# Altium PCB drac_v2.PcbDoc (part 4 of 5) (continued)
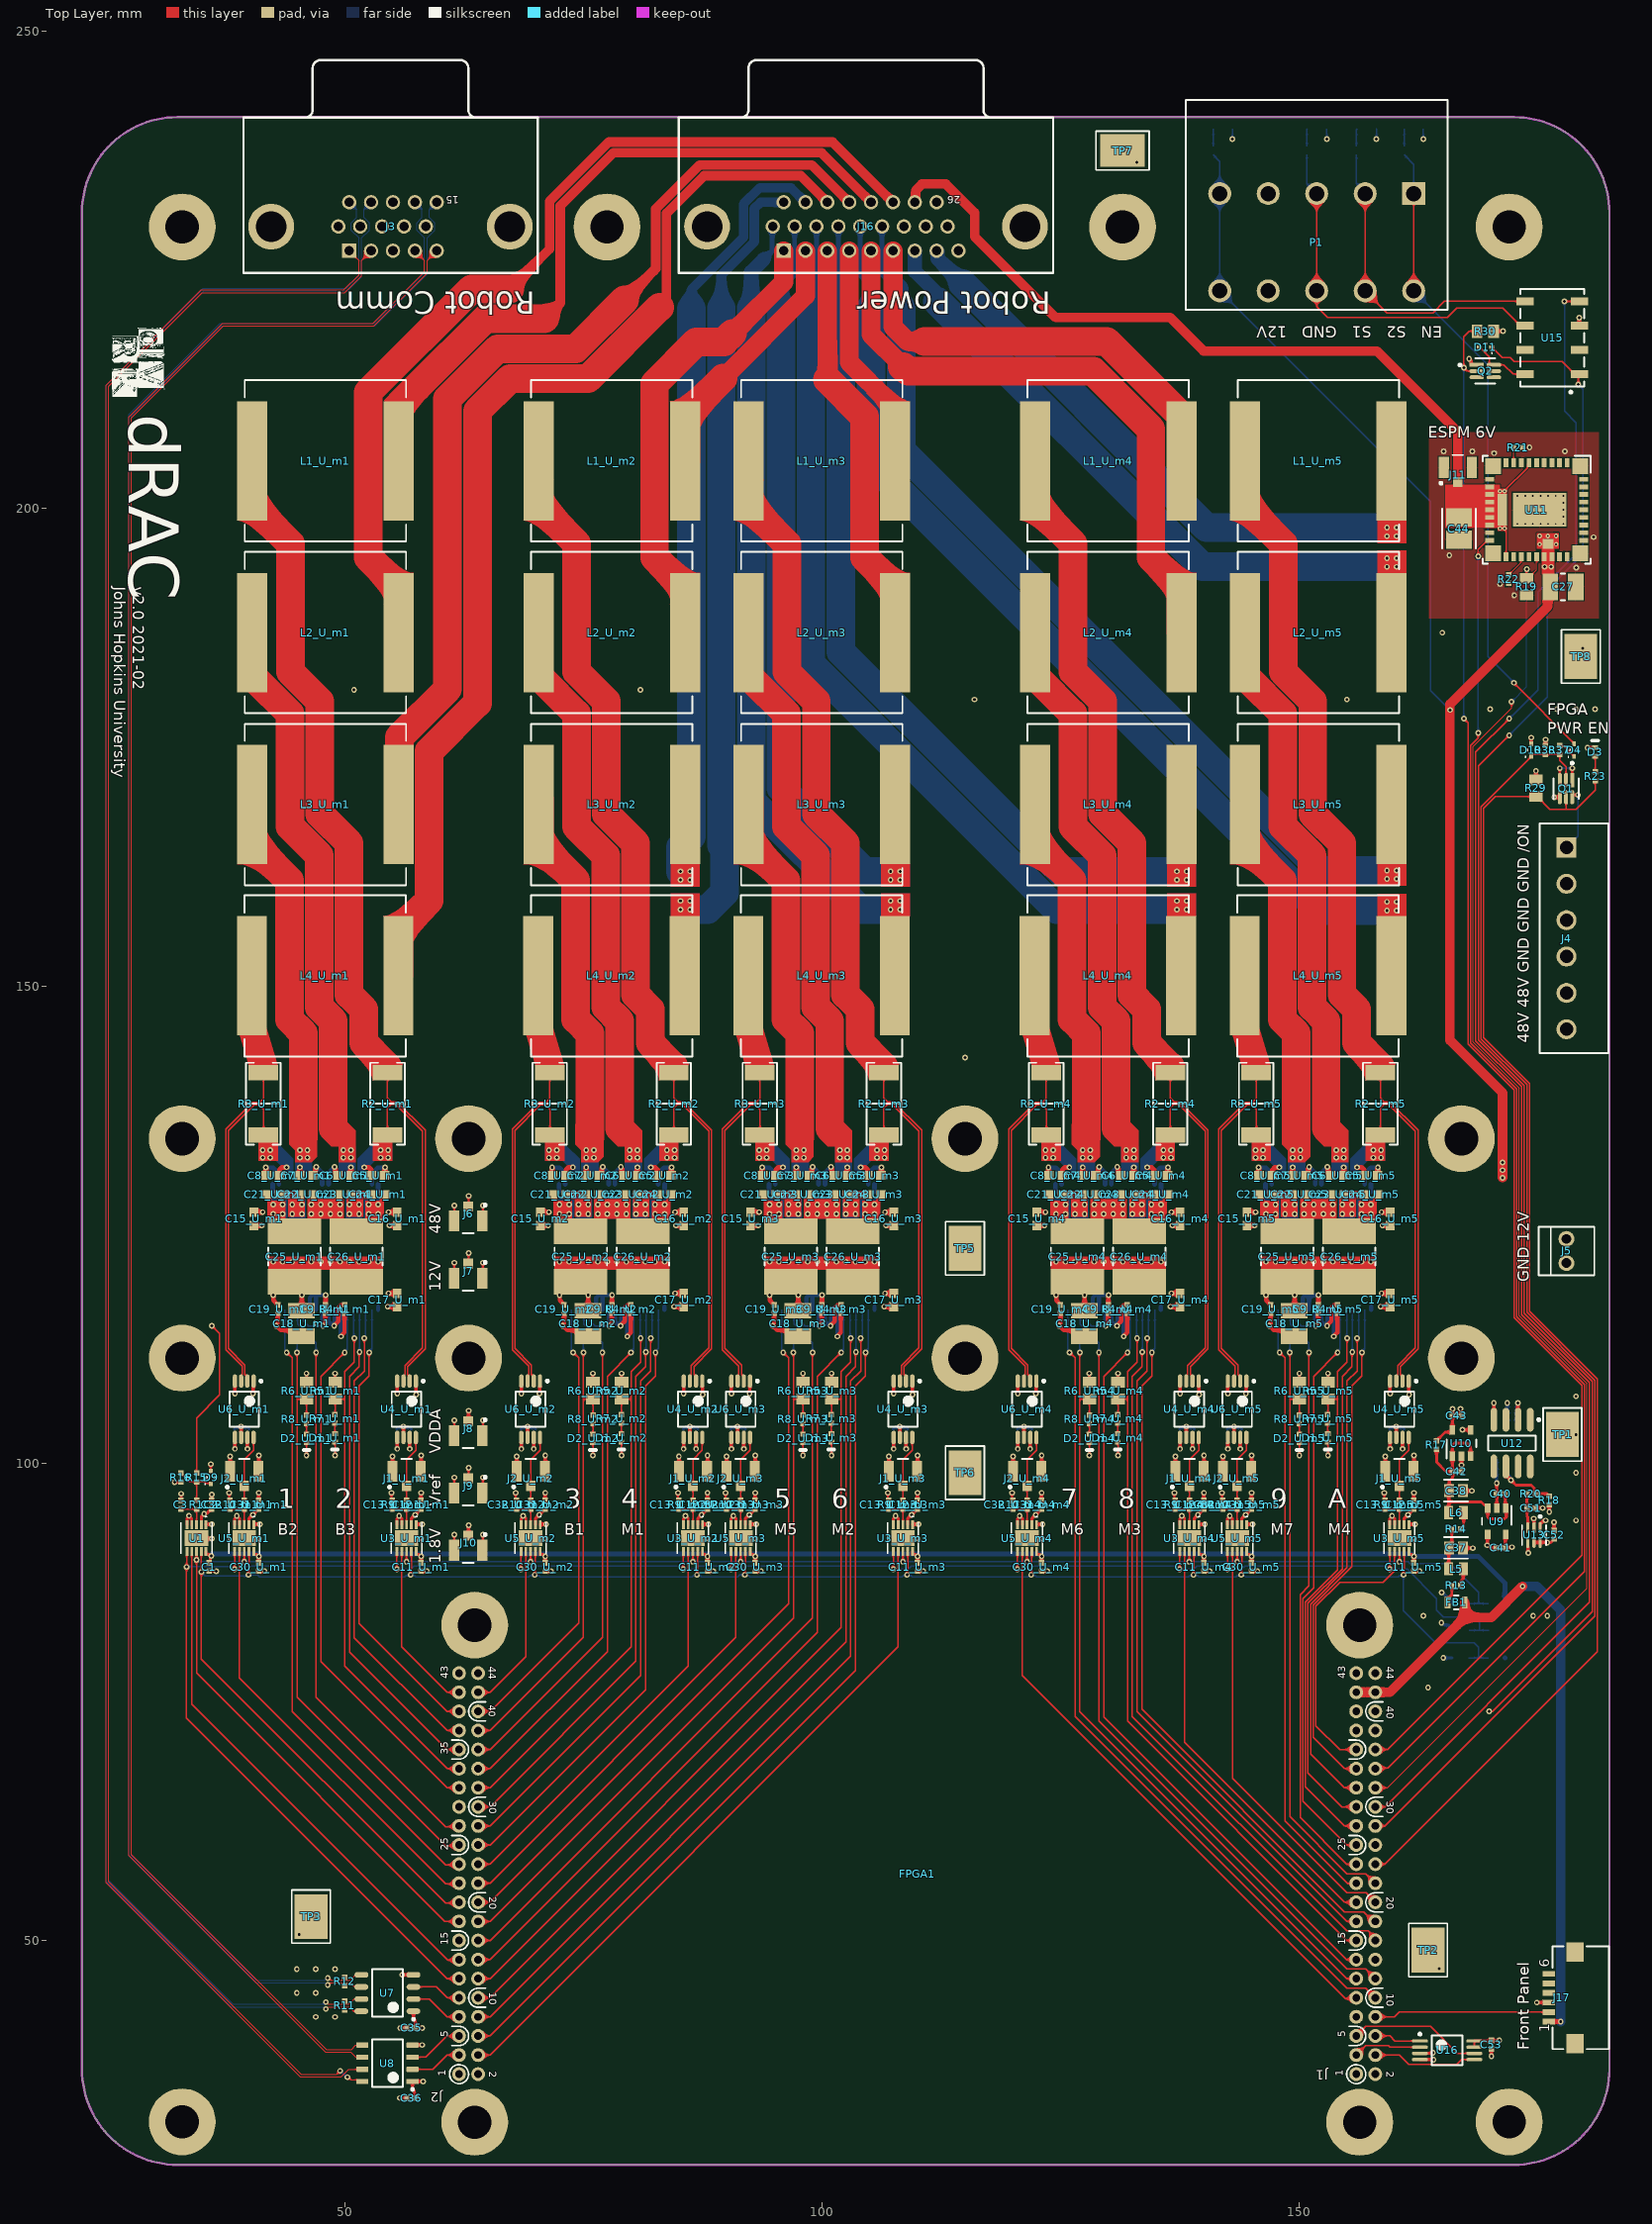
[diagram p0: Top Layer view]
## Nets (pads, with @x,y where several pads share a name; then routed paths per layer and width w, separated by ;. In a path a pad name is that pad's centre, name@x,y a point inside that pad or via, vN(x,y) a via of type N, cw(c..) or ccw(c..) an arc to the next point about the centre after c; other vN are vias at no path point) (continued)
  Bottom Layer w0.127: v1(48.25,45.348) 48.161,45.348 47.939,45.57 40.68,45.57 27.417,58.833 27.417,209.834 36.983,219.4 53.074,219.4 58.374,224.7 58.374,228.356 57.579,229.15 57.579,229.93 58.13,230.481 58.13,231.32 J3.14@57.37,232.08
RELAY-ON: FPGA1.36 Q2.2 R30.2 | length 165.9
  Top Layer w0.147: FPGA1.36@157.98,70 159.25,70 179.627,90.377 179.627,108.123 172.5,115.25 172.5,139.1 167.7,143.9 167.7,177.55 v1(167.25,178) ; Q2.2@168.599,214.4 167.6,214.4 v1(167.25,214.75) 167.25,218 167.831,218.581 R30.2@168.624,218.581
  Bottom Layer w0.147: v1(167.25,178) v1(167.25,214.75)
SAFETY_CHAIN_EN_EXT: D10.1 FPGA1.28 Q1.2 R37.1 R38.2 | length 135.3
  Top Layer w0.147: FPGA1.28@157.98,62 159,62 180.976,83.976 180.976,108.682 173.849,115.809 173.849,139.659 169.049,144.459 169.049,168.749 174.3,174 D10.1@174.3,174.04 174.3,174.08 174.427,174.207 174.467,174.207 174.508,174.248 R38.2@175.8,174.248 R37.1@177.3,174.248 177.3,173.6 177.95,172.95 Q1.2@177.95,171.568
SCLK_EEPROM: FPGA1.5 U16.6 | length 14
  Top Layer w0.147: FPGA1.5@155.98,40 156.98,41 163.75,41 166.575,38.175 U16.6@168.35,38.175
TCLK_N: J3.2 U8.8 | length 226.5
  Top Layer w0.127: v1(49.55,36.35) 49.2,36 45.475,36 25.308,56.167 25.308,212.808 35.117,222.617 50.021,222.617 51.786,224.383 51.786,225.996 J3.2@52.79,227 ; v1(50.297,35.678) 50.425,35.678 50.703,35.4 51.713,35.4 U8.8@51.875,35.238
  Bottom Layer w0.127: v1(49.55,36.35) 49.587,36.35 50.259,35.678 v1(50.297,35.678)
TCLK_P: J3.1 U8.7 | length 226.7
  Top Layer w0.127: J3.1@50.5,227 51.504,225.996 51.504,224.5 49.904,222.9 35,222.9 25.025,212.925 25.025,56.05 45.358,35.717 49.642,35.717 50.433,36.508 U8.7@51.875,36.508
TDAT_N: J3.5 U8.5 | length 223.3
  Top Layer w0.127: U8.5@51.875,39.048 51.186,39.048 50.738,38.6 48.1,38.6 27.7,59 27.7,209.5 37.317,219.117 53.091,219.117 58.656,224.683 58.656,225.996 J3.5@59.66,227
TDAT_P: J3.4 U8.6 | length 223.8
  Top Layer w0.127: U8.6@51.875,37.778 51.186,37.778 50.647,38.317 47.983,38.317 29.9,56.4 27.417,58.883 27.417,209.617 37.2,219.4 52.974,219.4 58.374,224.8 58.374,225.996 J3.4@57.37,227
VDD: C1.1 C11_U_m1.1 C11_U_m2.1 C11_U_m3.1 C11_U_m4.1 C11_U_m5.1 C30_U_m1.1 C30_U_m2.1 C30_U_m3.1 C30_U_m4.1 C30_U_m5.1 C35.2 C36.2 C53.1 D11.1 FPGA1.39 FPGA1.40 R31.2 R32.2 R33.2 U1.10 U3_U_m1.10 U3_U_m2.10 U3_U_m3.10 U3_U_m4.10 U3_U_m5.10 U5_U_m1.10 U5_U_m2.10 U5_U_m3.10 U5_U_m4.10 U5_U_m5.10 U7.1 U8.1 U15.1 U16.3 U16.7 U16.8 | length 331.9
  Top Layer w0.147: U16.7@168.35,38.825 U16.8@168.35,39.475 ; v1(169.9,74) 170.25,74 180.702,84.452 180.702,108.569 173.575,115.695 173.575,139.545 168.775,144.345 168.775,173.025 v1(172,176.25) ; D11.1@170.16,216.9 170.2,216.9 171.3,215.8 172.1,215.8 172.5,215.4 177.54,215.4 178.85,214.09 U15.1@179.35,214.09 179.25,213.99 v1(179.25,213)
  Top Layer w0.3: U1.10@35.5,90.746 35.5,90.443 35.835,90.443 35.978,90.3 v1(36.059,90.3) ; C1.1@35.8,89.559 35.936,89.695 35.936,90.014 35.959,90.037 v1@35.959,90.2 ; U5_U_m1.10@40.5,90.746 40.5,90.443 40.802,90.443 v1(41.025,90.221) 41.025,89.584 C30_U_m1.1@41,89.559 ; U7.1@57.225,42.595 57.225,41.775 57.429,41.571 C35.2@57.429,40.843 v1(58.143,40.843) ; C36.2@57.429,33.5 57.336,33.592 57.336,34.236 57.125,34.448 U8.1@57.125,35.238 v1(58.238,35.238) ; U3_U_m1.10@57.5,90.746 57.5,90.443 57.802,90.443 v1(58.025,90.221) 58.025,89.584 C11_U_m1.1@58,89.559 ; U5_U_m2.10@70.5,90.746 70.5,90.443 70.802,90.443 v1(71.025,90.221) 71.025,89.584 C30_U_m2.1@71,89.559 ; U3_U_m2.10@87.5,90.746 87.5,90.443 87.802,90.443 v1(88.025,90.221) 88.025,89.584 C11_U_m2.1@88,89.559 ; U5_U_m3.10@92.5,90.746 92.5,90.443 92.802,90.443 v1(93.025,90.221) 93.025,89.584 C30_U_m3.1@93,89.559 ; U3_U_m3.10@109.5,90.746 109.5,90.443 109.802,90.443 v1(110.025,90.221) 110.025,89.584 C11_U_m3.1@110,89.559 ; U5_U_m4.10@122.5,90.746 122.5,90.443 122.802,90.443 v1(123.025,90.221) 123.025,89.584 C30_U_m4.1@123,89.559 ; U3_U_m4.10@139.5,90.746 139.5,90.443 139.802,90.443 v1(140.025,90.221) 140.025,89.584 C11_U_m4.1@140,89.559 ; U5_U_m5.10@144.5,90.746 144.5,90.443 144.802,90.443 v1(145.025,90.221) 145.025,89.584 C30_U_m5.1@145,89.559 ; U3_U_m5.10@161.5,90.746 161.5,90.443 161.802,90.443 v1(162.025,90.221) 162.025,89.584 C11_U_m5.1@162,89.559 ; U16.3@162.65,38.175 162.66,38.185 163.873,38.185 163.938,38.25 v1(164.019,38.25) ; U16.8@168.35,39.475 168.36,39.485 170.096,39.485 C53.1@170.133,39.521 v1(170.979,39.521)
  Bottom Layer w0.147: v1(172,176.25) 176,180.25 176,191.5 179.75,195.25 179.75,212.5 v1(179.25,213)
  Bottom Layer w0.3: v1@145,90.5 145,90.246 v1(145.025,90.221) ; v1(170.979,39.521) v1@171,39.5
  Bottom Layer w0.5: v1@36.059,90.5 41.025,90.5 58.025,90.5 71.025,90.5 88.025,90.5 93.025,90.5 110.025,90.5 v1@145,90.5 ; v1@145.025,90.5 161.719,90.5 161.998,90.221 v1(162.025,90.221) 168.779,90.221 171.549,87.451 171.549,85.326 R32.2@171.585,85.29 ; R33.2@171.576,79.6 R33.2@171.581,79.604
VDD1.8: C2.1 C12_U_m1.1 C12_U_m2.1 C12_U_m3.1 C12_U_m4.1 C12_U_m5.1 C31_U_m1.1 C31_U_m2.1 C31_U_m3.1 C31_U_m4.1 C31_U_m5.1 C41.2 J10.2 U1.2 U3_U_m1.2 U3_U_m2.2 U3_U_m3.2 U3_U_m4.2 U3_U_m5.2 U5_U_m1.2 U5_U_m2.2 U5_U_m3.2 U5_U_m4.2 U5_U_m5.2 U9.5 | length 26.4
  Top Layer w0.3: U1.2@35,93.551 35,94.386 35.3,94.686 v1(35.3,94.7) 35.357,94.757 35.632,94.757 36.072,95.198 C2.1@36.072,95.22 ; U5_U_m1.2@40,93.551 40,94.198 40.6,94.798 41,95.198 C31_U_m1.1@41,95.22 ; U3_U_m1.2@57,93.551 57,94.198 57.6,94.798 58,95.198 C12_U_m1.1@58,95.22 ; J10.2@62.958,92.402 63,92.444 v1(63,93.5) ; U5_U_m2.2@70,93.551 70,94.198 70.6,94.798 71,95.198 C31_U_m2.1@71,95.22 ; U3_U_m2.2@87,93.551 87,94.198 87.6,94.798 88,95.198 C12_U_m2.1@88,95.22 ; U5_U_m3.2@92,93.551 92,94.198 92.6,94.798 93,95.198 C31_U_m3.1@93,95.22 ; U3_U_m3.2@109,93.551 109,94.198 109.6,94.798 110,95.198 C12_U_m3.1@110,95.22 ; U5_U_m4.2@122,93.551 122,94.198 122.6,94.798 123,95.198 C31_U_m4.1@123,95.22 ; U3_U_m4.2@139,93.551 139,94.198 139.6,94.798 140,95.198 C12_U_m4.1@140,95.22 ; U5_U_m5.2@144,93.551 144,94.198 144.6,94.798 145,95.198 C31_U_m5.1@145,95.22 ; U3_U_m5.2@161,93.551 161,94.198 161.6,94.798 162,95.198 C12_U_m5.1@162,95.22 ; C41.2@171.514,91.109 171.6,91.195 171.6,92.475 U9.5@171.65,92.525 ; C41.2@171.567,91.162 172.262,91.162 v1(172.3,91.2)
  other v1: 40.4,94.6 57.4,94.6 70.4,94.6 87.4,94.6 92.4,94.6 109.4,94.6 122.4,94.6 139.4,94.6 144.4,94.6 161.4,94.6
VDD5: FB1.1 FPGA1.41 FPGA1.42 J17.1 | length 72.9
  Top Layer w0.5: J17.1@176.2,41.5 v1(177.4,41.5)
  Top Layer w1: FPGA1.41@155.98,76 159.5,76 167.347,83.847 ; FB1.1@167.347,85.424 167.347,83.847 ; v1(173.4,87.1) 170.147,83.847 167.347,83.847
  Bottom Layer w1: v1(173.4,87.1) 174.9,87.1 177.4,84.6 v1(177.4,41.5)
VDD6: C44.1 J11.2 J16.25 U11.7 U11.13 U11.14 U11.15 U11.16 U11.17 U11.18 U11.22 U11.43 | length 82.9
  Top Layer w0.147: v2(171.524,197.924) 171.674,197.774 U11.22@171.674,194.949 ; v2(171.524,201.824) 171.5,201.848 171.5,201.85 173.898,204.248 173.898,204.623 U11.7@174.074,204.799
  Top Layer w1: J16.25@109.74,232.08 109.836,232.176 109.836,233.336 110.5,234 113,234 116,231 116,228.5 124.5,220 136.5,220 140,216.5 158.138,216.5 166.631,208.007 J11.2@166.631,202.782
  other v2: 171.024,197.924 171.024,201.824
VDD12: C15_U_m1.1 C15_U_m2.1 C15_U_m3.1 C15_U_m4.1 C15_U_m5.1 C16_U_m1.1 C16_U_m2.1 C16_U_m3.1 C16_U_m4.1 C16_U_m5.1 C17_U_m1.1 C17_U_m2.1 C17_U_m3.1 C17_U_m4.1 C17_U_m5.1 C18_U_m1.1 C18_U_m2.1 C18_U_m3.1 C18_U_m4.1 C18_U_m5.1 C19_U_m1.1 C19_U_m2.1 C19_U_m3.1 C19_U_m4.1 C19_U_m5.1 C27.1 J5.1 J7.2 P1.5 P1.10 R39.2 U2_U_m1.1 U2_U_m1.17 U2_U_m1.18 U2_U_m1.19 U2_U_m1.36 U2_U_m2.1 U2_U_m2.17 U2_U_m2.18 U2_U_m2.19 U2_U_m2.36 U2_U_m3.1 U2_U_m3.17 U2_U_m3.18 U2_U_m3.19 U2_U_m3.36 U2_U_m4.1 U2_U_m4.17 U2_U_m4.18 U2_U_m4.19 U2_U_m4.36 U2_U_m5.1 U2_U_m5.17 U2_U_m5.18 U2_U_m5.19 U2_U_m5.36 U11.27 U11.28 U11.42 | length 184.2
  Top Layer w0.147: J7.2@62.958,120.902 63,120.944 v1(63,122)
  Top Layer w0.45: C19_U_m1.1@43,115.72 43,114.614 42.825,114.439 v1(42.825,114.398) 42.866,114.398 43.34,113.924 44.899,113.924 C18_U_m1.1@45.5,113.323 ; C19_U_m2.1@73,115.72 73,114.614 72.825,114.439 v1(72.825,114.398) 72.866,114.398 73.34,113.924 74.899,113.924 C18_U_m2.1@75.5,113.323 ; C19_U_m3.1@95,115.72 95,114.614 94.825,114.439 v1(94.825,114.398) 94.866,114.398 95.34,113.924 96.899,113.924 C18_U_m3.1@97.5,113.323 ; C19_U_m4.1@125,115.72 125,114.614 124.825,114.439 v1(124.825,114.398) 124.866,114.398 125.34,113.924 126.899,113.924 C18_U_m4.1@127.5,113.323 ; C19_U_m5.1@147,115.72 147,114.614 146.825,114.439 v1(146.825,114.398) 146.866,114.398 147.34,113.924 148.899,113.924 C18_U_m5.1@149.5,113.323
  Top Layer w0.5: C15_U_m1.1@40.525,126.3 C15_U_m1.1@40.525,126.3 v1(41.425,126.298) v1(41.425,126.298) ; v1(54.525,116.398) v1(54.525,116.398) C17_U_m1.1@55.524,116.397 ; v1(54.625,126.298) v1(54.625,126.298) C16_U_m1.1@55.525,126.3 C16_U_m1.1@55.525,126.3 ; C15_U_m2.1@70.525,126.3 C15_U_m2.1@70.525,126.3 v1(71.425,126.298) v1(71.425,126.298) ; v1(84.525,116.398) v1(84.525,116.398) 85.524,116.397 C17_U_m2.1@85.525,116.396 ; v1(84.625,126.298) v1(84.625,126.298) C16_U_m2.1@85.525,126.3 C16_U_m2.1@85.525,126.3 ; C15_U_m3.1@92.525,126.3 92.526,126.299 v1(93.425,126.298) v1(93.425,126.298) ; v1(106.525,116.398) v1(106.525,116.398) C17_U_m3.1@107.524,116.397 ; v1(106.625,126.298) 106.626,126.299 107.524,126.299 C16_U_m3.1@107.525,126.3 ; C15_U_m4.1@122.525,126.3 122.526,126.299 123.424,126.299 v1(123.425,126.298) ; v1(136.525,116.398) v1(136.525,116.398) C17_U_m4.1@137.524,116.397 ; v1(136.625,126.298) 136.626,126.299 137.524,126.299 C16_U_m4.1@137.525,126.3 ; C15_U_m5.1@144.525,126.3 C15_U_m5.1@144.525,126.3 v1(145.425,126.298) v1(145.425,126.298) ; v1(158.525,116.398) 158.526,116.397 C17_U_m5.1@159.524,116.397 ; v1(158.625,126.298) v1(158.625,126.298) C16_U_m5.1@159.525,126.3 C16_U_m5.1@159.525,126.3 ; C17_U_m1.1@55.524,116.397 C17_U_m1.1@55.525,116.396 ; C17_U_m3.1@107.524,116.397 C17_U_m3.1@107.525,116.396 ; C17_U_m4.1@137.524,116.397 C17_U_m4.1@137.525,116.396 ; C17_U_m5.1@159.524,116.397 C17_U_m5.1@159.525,116.396
  Top Layer w1: v1(171.3,129.9) v1(171.3,130.7) v1(171.3,131.5) 171.3,138.8 165.8,144.3 v1(165.8,178.9) 165.8,179.5 176.031,189.731 176.031,191.533 C27.1@176.305,191.807
  Bottom Layer w0.147: R39.2@141,237.048 141.002,237.048 141.68,236.37 P1.5@141.68,233 P1.10@141.68,222.8 163.75,200.73 163.75,180.95 v1(165.8,178.9)
  Bottom Layer w0.45: v1(42.825,114.398) v1@42.825,114.439 ; U2_U_m1.1@53.525,116.073 U2_U_m1.1@53.525,116.398 ; v1(72.825,114.398) v1@72.825,114.439 ; U2_U_m2.1@83.525,116.073 U2_U_m2.1@83.525,116.398 ; v1(94.825,114.398) v1@94.825,114.439 ; U2_U_m3.1@105.525,116.073 U2_U_m3.1@105.525,116.398 ; v1(124.825,114.398) v1@124.825,114.439 ; U2_U_m4.1@135.525,116.073 U2_U_m4.1@135.525,116.398 ; v1(146.825,114.398) v1@146.825,114.439 ; U2_U_m5.1@157.525,116.073 U2_U_m5.1@157.525,116.398
  Bottom Layer w0.5: U2_U_m1.19@42.475,128.448 U2_U_m1.19@42.475,129.223 ; U2_U_m1.36@53.525,128.448 U2_U_m1.36@53.525,129.223 ; U2_U_m2.19@72.475,128.448 U2_U_m2.19@72.475,129.223 ; U2_U_m2.36@83.525,128.448 U2_U_m2.36@83.525,129.223 ; U2_U_m3.19@94.475,128.448 U2_U_m3.19@94.475,129.223 ; U2_U_m3.36@105.525,128.448 U2_U_m3.36@105.525,129.223 ; U2_U_m4.19@124.475,128.448 U2_U_m4.19@124.475,129.223 ; U2_U_m4.36@135.525,128.448 U2_U_m4.36@135.525,129.223 ; U2_U_m5.19@146.475,128.448 U2_U_m5.19@146.475,129.223 ; U2_U_m5.36@157.525,128.448 U2_U_m5.36@157.525,129.223
  other v1: 175.7,193.9 176.4,193.9
  other v2: 175.201,196.269 176.921,196.269 175.201,197.119 176.051,197.119 176.921,197.119
VDDA: C10_U_m1.1 C10_U_m2.1 C10_U_m3.1 C10_U_m4.1 C10_U_m5.1 C29_U_m1.1 C29_U_m2.1 C29_U_m3.1 C29_U_m4.1 C29_U_m5.1 C43.2 C47.2 C48.2 C52.1 J8.2 R17.2 U4_U_m1.5 U4_U_m2.5 U4_U_m3.5 U4_U_m4.5 U4_U_m5.5 U6_U_m1.5 U6_U_m2.5 U6_U_m3.5 U6_U_m4.5 U6_U_m5.5 U10.5 U12.2 U13.5 U13.6 | length 36
  Top Layer w0.3: v1(38.525,101.498) U6_U_m1.5@38.525,102.698 ; v1(55.525,101.498) U4_U_m1.5@55.525,102.698 ; J8.2@62.958,104.402 63,104.444 v1(63,105.5) ; v1(68.525,101.498) U6_U_m2.5@68.525,102.698 ; v1(85.525,101.498) U4_U_m2.5@85.525,102.698 ; v1(90.525,101.498) U6_U_m3.5@90.525,102.698 ; v1(107.525,101.498) U4_U_m3.5@107.525,102.698 ; v1(120.525,101.498) U6_U_m4.5@120.525,102.698 ; v1(137.525,101.498) U4_U_m4.5@137.525,102.698 ; v1(142.525,101.498) U6_U_m5.5@142.525,102.698 ; v1(159.525,101.498) U4_U_m5.5@159.525,102.698 ; R17.2@164.4,102.352 164.402,102.352 165.3,103.25 165.9,103.25 166.05,103.4 U10.5@166.05,103.475 166.061,103.486 166.061,104.989 166.072,105.001 v1(166.073,105.673) ; v1(172.9,106.3) 172.917,106.283 172.917,104.567 U12.2@172.935,104.55 ; U13.5@174.6,91.701 U13.6@175.25,91.701 176.351,91.701 176.7,92.05 C52.1@176.7,92.071
  Bottom Layer w0.3: C29_U_m1.1@38.5,102.72 38.513,102.707 38.513,101.511 v1(38.525,101.498) ; C10_U_m1.1@55.5,102.72 55.513,102.707 55.513,101.511 v1(55.525,101.498) ; C29_U_m2.1@68.5,102.72 68.512,102.707 68.512,101.511 v1(68.525,101.498) ; C10_U_m2.1@85.5,102.72 85.512,102.707 85.512,101.511 v1(85.525,101.498) ; C29_U_m3.1@90.5,102.72 90.513,102.707 90.513,101.511 v1(90.525,101.498) ; C10_U_m3.1@107.5,102.72 107.513,102.707 107.513,101.511 v1(107.525,101.498) ; C29_U_m4.1@120.5,102.72 120.512,102.707 120.512,101.511 v1(120.525,101.498) ; C10_U_m4.1@137.5,102.72 137.512,102.707 137.512,101.511 v1(137.525,101.498) ; C29_U_m5.1@142.5,102.72 142.513,102.707 142.513,101.511 v1(142.525,101.498) ; C10_U_m5.1@159.5,102.72 159.513,102.707 159.513,101.511 v1(159.525,101.498) ; C47.2@172.729,104.2 C48.2@172.729,105.6 172.843,105.714 172.843,106.243 v1(172.9,106.3)
  other v1: 176,91.7
VM: C21_U_m1.1 C21_U_m2.1 C21_U_m3.1 C21_U_m4.1 C21_U_m5.1 C22_U_m1.1 C22_U_m2.1 C22_U_m3.1 C22_U_m4.1 C22_U_m5.1 C23_U_m1.1 C23_U_m2.1 C23_U_m3.1 C23_U_m4.1 C23_U_m5.1 C24_U_m1.1 C24_U_m2.1 C24_U_m3.1 C24_U_m4.1 C24_U_m5.1 C25_U_m1.1 C25_U_m2.1 C25_U_m3.1 C25_U_m4.1 C25_U_m5.1 C26_U_m1.1 C26_U_m2.1 C26_U_m3.1 C26_U_m4.1 C26_U_m5.1 J4.5 J4.6 J6.2 R15.2 U2_U_m1.21 U2_U_m1.26 U2_U_m1.29 U2_U_m1.34 U2_U_m2.21 U2_U_m2.26 U2_U_m2.29 U2_U_m2.34 U2_U_m3.21 U2_U_m3.26 U2_U_m3.29 U2_U_m3.34 U2_U_m4.21 U2_U_m4.26 U2_U_m4.29 U2_U_m4.34 U2_U_m5.21 U2_U_m5.26 U2_U_m5.29 U2_U_m5.34 | length 17.9
  Top Layer w0.147: R15.2@34.5,98.952 34.5,104.748 36.9,107.148 36.9,113.6 v1(36.1,114.4) ; J6.2@62.958,126.902 63,126.944 v1(63,128)
  other v1: 42.525,126.098 43.525,126.098 46.525,126.098 47.525,126.098 48.525,126.098 49.525,126.098 52.525,126.098 53.525,126.098 72.525,126.098 73.525,126.098 76.525,126.098 77.525,126.098 78.525,126.098 79.525,126.098 82.525,126.098 83.525,126.098 94.525,126.098 95.525,126.098 98.525,126.098 99.525,126.098 100.525,126.098 101.525,126.098 104.525,126.098 105.525,126.098 124.525,126.098 125.525,126.098 128.525,126.098 129.525,126.098 130.525,126.098 131.525,126.098 134.525,126.098 135.525,126.098 146.525,126.098 147.525,126.098 150.525,126.098 151.525,126.098 152.525,126.098 153.525,126.098 156.525,126.098 157.525,126.098 42.525,127.098 43.525,127.098 46.525,127.098 47.525,127.098 48.525,127.098 49.525,127.098 52.525,127.098 53.525,127.098 72.525,127.098 73.525,127.098 76.525,127.098 77.525,127.098 78.525,127.098 79.525,127.098 82.525,127.098 83.525,127.098 94.525,127.098 95.525,127.098 98.525,127.098 99.525,127.098 100.525,127.098 101.525,127.098 104.525,127.098 105.525,127.098 124.525,127.098 125.525,127.098 128.525,127.098 129.525,127.098 130.525,127.098 131.525,127.098 134.525,127.098 135.525,127.098 146.525,127.098 147.525,127.098 150.525,127.098 151.525,127.098 152.525,127.098 153.525,127.098 156.525,127.098 157.525,127.098
VREF: C4.1 C14_U_m1.1 C14_U_m2.1 C14_U_m3.1 C14_U_m4.1 C14_U_m5.1 C20_U_m1.1 C20_U_m2.1 C20_U_m3.1 C20_U_m4.1 C20_U_m5.1 C33_U_m1.1 C33_U_m2.1 C33_U_m3.1 C33_U_m4.1 C33_U_m5.1 C34_U_m1.1 C34_U_m2.1 C34_U_m3.1 C34_U_m4.1 C34_U_m5.1 J9.2 R18.2 U1.1 U3_U_m1.1 U3_U_m2.1 U3_U_m3.1 U3_U_m4.1 U3_U_m5.1 U4_U_m1.7 U4_U_m2.7 U4_U_m3.7 U4_U_m4.7 U4_U_m5.7 U5_U_m1.1 U5_U_m2.1 U5_U_m3.1 U5_U_m4.1 U5_U_m5.1 U6_U_m1.7 U6_U_m2.7 U6_U_m3.7 U6_U_m4.7 U6_U_m5.7 U13.1 U13.4 | length 23.9
  Top Layer w0.147: J9.2@62.958,98.402 63,98.444 v1(63,99.5)
  Top Layer w0.3: U1.1@35.5,93.551 35.5,93.6 v1(36.1,93.6) ; v1(39.825,101.498) U6_U_m1.7@39.825,102.698 ; U5_U_m1.1@40.5,93.551 40.5,93.598 v1(41.125,93.598) ; v1(56.825,101.498) U4_U_m1.7@56.825,102.698 ; U3_U_m1.1@57.5,93.551 57.5,93.598 v1(58.125,93.598) ; v1(69.825,101.498) U6_U_m2.7@69.825,102.698 ; U5_U_m2.1@70.5,93.551 70.5,93.598 v1(71.125,93.598) ; v1(86.825,101.498) U4_U_m2.7@86.825,102.698 ; U3_U_m2.1@87.5,93.551 87.5,93.598 v1(88.125,93.598) ; v1(91.825,101.498) U6_U_m3.7@91.825,102.698 ; U5_U_m3.1@92.5,93.551 92.5,93.598 v1(93.125,93.598) ; v1(108.825,101.498) U4_U_m3.7@108.825,102.698 ; U3_U_m3.1@109.5,93.551 109.5,93.598 v1(110.125,93.598) ; v1(121.825,101.498) U6_U_m4.7@121.825,102.698 ; U5_U_m4.1@122.5,93.551 122.5,93.598 v1(123.125,93.598) ; v1(138.825,101.498) U4_U_m4.7@138.825,102.698 ; U3_U_m4.1@139.5,93.551 139.5,93.598 v1(140.125,93.598) ; v1(143.825,101.498) U6_U_m5.7@143.825,102.698 ; U5_U_m5.1@144.5,93.551 144.5,93.598 v1(145.125,93.598) ; v1(160.825,101.498) U4_U_m5.7@160.825,102.698 ; U3_U_m5.1@161.5,93.551 161.5,93.598 v1(162.125,93.598) ; U13.4@173.95,91.701 173.957,91.694 173.957,90.643 v1(174,90.6) ; U13.1@175.25,93.241 175.25,93.655 175.537,93.943 175.743,93.943 v1(175.8,94) ; v1(176.2,94.9) R18.2@176.2,95.648
  Bottom Layer w0.3: v1@41.068,93.541 v1(41.125,93.598) ; v1@71.068,93.541 v1(71.125,93.598) ; v1@93.068,93.541 v1(93.125,93.598) ; v1@123.068,93.541 v1(123.125,93.598) ; v1@145.068,93.541 v1(145.125,93.598)
VREG_U_m1: C9_U_m1.1 U2_U_m1.10 U2_U_m1.13 | length 6.6
  Top Layer w0.45: v1(47.736,114.387) 47.736,114.428 48,114.692 C9_U_m1.1@48,115.72
  Bottom Layer w0.147: U2_U_m1.13@45.725,116.073 45.725,114.898 46.236,114.387 v1(47.736,114.387)
  Bottom Layer w0.45: U2_U_m1.10@47.675,116.073 47.675,114.489 47.736,114.428 v1(47.736,114.387)
VREG_U_m2: C9_U_m2.1 U2_U_m2.10 U2_U_m2.13 | length 6.6
  Top Layer w0.45: v1(77.736,114.387) 77.736,114.428 78,114.692 C9_U_m2.1@78,115.72
  Bottom Layer w0.147: U2_U_m2.13@75.725,116.073 75.725,114.898 76.236,114.387 v1(77.736,114.387)
  Bottom Layer w0.45: U2_U_m2.10@77.675,116.073 77.675,114.489 77.736,114.428 v1(77.736,114.387)
VREG_U_m3: C9_U_m3.1 U2_U_m3.10 U2_U_m3.13 | length 6.6
  Top Layer w0.45: v1(99.736,114.387) 99.736,114.428 100,114.692 C9_U_m3.1@100,115.72
  Bottom Layer w0.147: U2_U_m3.13@97.725,116.073 97.725,114.898 98.236,114.387 v1(99.736,114.387)
  Bottom Layer w0.45: U2_U_m3.10@99.675,116.073 99.675,114.489 99.736,114.428 v1(99.736,114.387)
VREG_U_m4: C9_U_m4.1 U2_U_m4.10 U2_U_m4.13 | length 6.6
  Top Layer w0.45: v1(129.736,114.387) 129.736,114.428 130,114.692 C9_U_m4.1@130,115.72
  Bottom Layer w0.147: U2_U_m4.13@127.725,116.073 127.725,114.898 128.236,114.387 v1(129.736,114.387)
  Bottom Layer w0.45: U2_U_m4.10@129.675,116.073 129.675,114.489 129.736,114.428 v1(129.736,114.387)
VREG_U_m5: C9_U_m5.1 U2_U_m5.10 U2_U_m5.13 | length 6.6
  Top Layer w0.45: v1(151.736,114.387) 151.736,114.428 152,114.692 C9_U_m5.1@152,115.72
  Bottom Layer w0.147: U2_U_m5.13@149.725,116.073 149.725,114.898 150.236,114.387 v1(151.736,114.387)
  Bottom Layer w0.45: U2_U_m5.10@151.675,116.073 151.675,114.489 151.736,114.428 v1(151.736,114.387)
pads on no net: FPGA1.7 J3.3 J3.6 J3.7 J3.8 J3.9 J3.10 J3.13 J16.9 J16.16 J16.17 J16.18 J17.4 J17.5 J17.6 J17.MP1 J17.MP2 Q2.3 Q2.4 Q2.5 U11.6 U11.10 U11.21 U11.23 U11.25 U11.34 U11.35 U11.36 U11.37 U11.38 U11.39 U11.40 U12.1 U12.3 U12.5 U12.7 U12.8 U15.2 U15.7

## Polygon pours and split planes (outlines as drawn)
VDD on Bottom Layer "VDD_L04_P003" (solid, remove dead copper, pour order 3): 172.5,87.033 172.5,26 53,26 53,87.444
VREF on Bottom Layer "VREF_L04_P000" (solid, pour order 0): 29,107.5 29,91 168.6,91 168.6,90.1 177,90.1 177,107.5
VDD12 on Bottom Layer "VDD12_L04_P001" (solid, pour order 1): 182.5,112 32,112 32,132 182.5,132
GND on Top Layer "GND_L01_P002" (solid, pour order 2): 163.631,208.007 163.631,188.507 182.131,188.507 182.131,208.007
VM on Mid Layer 2 (split plane): 181.99,112.002 32.002,112.002 32.002,176.498 181.99,176.498
VDD12 on Mid Layer 2 (split plane): 178.898,189.602 174.102,189.602 174.102,197.398 178.898,197.398
VDDA on Mid Layer 2 (split plane): 177.398,90.102 173.102,90.102 173.102,97.5 173.094,97.539 173.072,97.572 173.039,97.594 173,97.602 31.102,97.602 31.102,99.496 31.102,109.998 177.398,109.998
VDD1.8 on Mid Layer 2 (split plane): 172.898,90.102 169.102,90.102 169.102,91.5 169.094,91.539 169.072,91.572 169.039,91.594 169,91.602 31.102,91.602 31.102,97.398 172.898,97.398
GND on Mid Layer 2 (split plane): 202 vertices, not listed, extent 23.008,27.008 181.992,240.492
GND on Mid Layer 1 (split plane): 153 vertices, not listed, extent 23.008,27.008 181.992,240.492

## Keep-outs
Keep-Out Layer:
  the board outline again, w0.254

## Other copper
Top Layer:
  region net VDD12: 175.431,195.907 175.431,193.107 176.731,193.107 176.731,195.907
  region net VDD6: 171.031,198.007 165.331,198.007 165.331,202.507 171.031,202.507
  region net BRAKE1: 84.2,159.7 84.2,157.3 87.2,157.3 87.2,159.7
  region net /BRAKE1: 84.2,162.8 84.2,160.4 87.2,160.4 87.2,162.8
  region net COIL2_P3: 106.2,159.7 106.2,157.3 109.2,157.3 109.2,159.7
  region net /MOTOR5: 106.2,162.8 106.2,160.4 109.2,160.4 109.2,162.8
  region net COIL2_P4: 136.2,159.7 136.2,157.3 139.2,157.3 139.2,159.7
  region net /MOTOR6: 136.2,162.8 136.2,160.4 139.2,160.4 139.2,162.8
  region net COIL1_P5: 158.2,195.6 158.2,193.2 161.2,193.2 161.2,195.6
  region net /MOTOR4: 158.2,198.8 158.2,196.4 161.2,196.4 161.2,198.8
  region net COIL2_P5: 158.2,159.6 158.2,157.2 161.2,157.2 161.2,159.6
  region net /MOTOR7: 158.2,162.9 158.2,160.5 161.2,160.5 161.2,162.9
  region net NetC5_U_m4_2: 134.975,133.698 134.975,131.698 136.975,131.698 136.975,133.698
  region net VM: 135.725,127.698 135.725,127.498 134.225,127.498 134.225,125.598 136.125,125.598 136.125,127.698
  region net GND: 132.225,125.798 132.225,128.498 134.525,128.498 134.525,127.698 133.925,127.698 133.925,125.798
  region net VM: 131.925,127.698 131.925,125.598 128.125,125.598 128.125,127.698
  region net NetC8_U_m4_2: 125.025,133.698 125.025,131.698 123.025,131.698 123.025,133.698
  region net GND: 127.825,125.798 126.125,125.798 126.125,127.698 125.625,127.698 125.625,128.498 127.825,128.498
  region net VM: 124.325,127.698 124.325,127.498 125.825,127.498 125.825,125.598 123.925,125.598 123.925,127.698
  region net GND: 124.025,120.298 136.025,120.298 136.025,121.598 124.025,121.598
  region net NetC7_U_m4_2: 129.175,135.498 129.139,132.113 128.575,131.548 126.825,131.548 126.825,132.748 126.2,133.373 126.2,135.498
  region net NetL4_U_m4_1: 123.825,145.598 125.025,141.598 122.025,141.598 120.825,145.598
  region net NetC6_U_m4_2: 132.325,135.698 133.175,134.848 133.175,131.523 131.375,131.523 131.375,133.173 130.625,133.173 129.75,134.048
  region net NetC5_U_m3_2: 104.975,133.698 104.975,131.698 106.975,131.698 106.975,133.698
  region net VM: 105.725,127.698 105.725,127.498 104.225,127.498 104.225,125.598 106.125,125.598 106.125,127.698
  region net GND: 102.225,125.798 102.225,128.498 104.525,128.498 104.525,127.698 103.925,127.698 103.925,125.798
  region net VM: 101.925,127.698 101.925,125.598 98.125,125.598 98.125,127.698
  region net NetC8_U_m3_2: 95.025,133.698 95.025,131.698 93.025,131.698 93.025,133.698
  region net GND: 97.825,125.798 96.125,125.798 96.125,127.698 95.625,127.698 95.625,128.498 97.825,128.498
  region net VM: 94.325,127.698 94.325,127.498 95.825,127.498 95.825,125.598 93.925,125.598 93.925,127.698
  region net GND: 94.025,120.298 106.025,120.298 106.025,121.598 94.025,121.598
  region net NetC7_U_m3_2: 99.175,135.498 99.139,132.113 98.575,131.548 96.825,131.548 96.825,132.748 96.2,133.373 96.2,135.498
  region net NetL4_U_m3_1: 93.825,145.598 95.025,141.598 92.025,141.598 90.825,145.598
  region net NetC6_U_m3_2: 102.325,135.698 103.175,134.848 103.175,131.523 101.375,131.523 101.375,133.173 100.625,133.173 99.75,134.048
  region net NetC5_U_m2_2: 82.975,133.698 82.975,131.698 84.975,131.698 84.975,133.698
  region net VM: 83.725,127.698 83.725,127.498 82.225,127.498 82.225,125.598 84.125,125.598 84.125,127.698
  region net GND: 80.225,125.798 80.225,128.498 82.525,128.498 82.525,127.698 81.925,127.698 81.925,125.798
  region net VM: 79.925,127.698 79.925,125.598 76.125,125.598 76.125,127.698
  region net NetC8_U_m2_2: 73.025,133.698 73.025,131.698 71.025,131.698 71.025,133.698
  region net GND: 75.825,125.798 74.125,125.798 74.125,127.698 73.625,127.698 73.625,128.498 75.825,128.498
  region net VM: 72.325,127.698 72.325,127.498 73.825,127.498 73.825,125.598 71.925,125.598 71.925,127.698
  region net GND: 72.025,120.298 84.025,120.298 84.025,121.598 72.025,121.598
  region net NetC7_U_m2_2: 77.175,135.498 77.139,132.113 76.575,131.548 74.825,131.548 74.825,132.748 74.2,133.373 74.2,135.498
  region net NetL4_U_m2_1: 71.825,145.598 73.025,141.598 70.025,141.598 68.825,145.598
  region net NetC6_U_m2_2: 80.325,135.698 81.175,134.848 81.175,131.523 79.375,131.523 79.375,133.173 78.625,133.173 77.75,134.048
  region net NetC5_U_m1_2: 52.975,133.698 52.975,131.698 54.975,131.698 54.975,133.698
  region net VM: 53.725,127.698 53.725,127.498 52.225,127.498 52.225,125.598 54.125,125.598 54.125,127.698
  region net GND: 50.225,125.798 50.225,128.498 52.525,128.498 52.525,127.698 51.925,127.698 51.925,125.798
  region net VM: 49.925,127.698 49.925,125.598 46.125,125.598 46.125,127.698
  region net NetC8_U_m1_2: 43.025,133.698 43.025,131.698 41.025,131.698 41.025,133.698
  region net GND: 45.825,125.798 44.125,125.798 44.125,127.698 43.625,127.698 43.625,128.498 45.825,128.498
  region net VM: 42.325,127.698 42.325,127.498 43.825,127.498 43.825,125.598 41.925,125.598 41.925,127.698
  region net GND: 42.025,120.298 54.025,120.298 54.025,121.598 42.025,121.598
  region net NetC7_U_m1_2: 47.175,135.498 47.139,132.113 46.575,131.548 44.825,131.548 44.825,132.748 44.2,133.373 44.2,135.498
  region net NetL4_U_m1_1: 41.825,145.598 43.025,141.598 40.025,141.598 38.825,145.598
  region net NetC6_U_m1_2: 50.325,135.698 51.175,134.848 51.175,131.523 49.375,131.523 49.375,133.173 48.625,133.173 47.75,134.048
  region net GND: 154.225,125.798 154.225,128.498 156.525,128.498 156.525,127.698 155.925,127.698 155.925,125.798
  region net VM: 157.725,127.698 157.725,127.498 156.225,127.498 156.225,125.598 158.125,125.598 158.125,127.698
  region net VM: 153.925,127.698 153.925,125.598 150.125,125.598 150.125,127.698
  region net GND: 149.825,125.798 148.125,125.798 148.125,127.698 147.625,127.698 147.625,128.498 149.825,128.498
  region net VM: 146.325,127.698 146.325,127.498 147.825,127.498 147.825,125.598 145.925,125.598 145.925,127.698
  region net NetL4_U_m5_1: 145.825,145.598 147.025,141.598 144.025,141.598 142.825,145.598
  region net NetC7_U_m5_2: 151.175,135.498 151.139,132.113 150.575,131.548 148.825,131.548 148.825,132.748 148.2,133.373 148.2,135.498
  region net NetC5_U_m5_2: 156.975,133.698 156.975,131.698 158.975,131.698 158.975,133.698
  region net NetC6_U_m5_2: 154.325,135.698 155.175,134.848 155.175,131.523 153.375,131.523 153.375,133.173 152.625,133.173 151.75,134.048
  region net NetC8_U_m5_2: 147.025,133.698 147.025,131.698 145.025,131.698 145.025,133.698
  region net GND: 146.025,120.298 158.025,120.298 158.025,121.598 146.025,121.598